# KiCad board central-control-unit.kicad_pcb (continued)
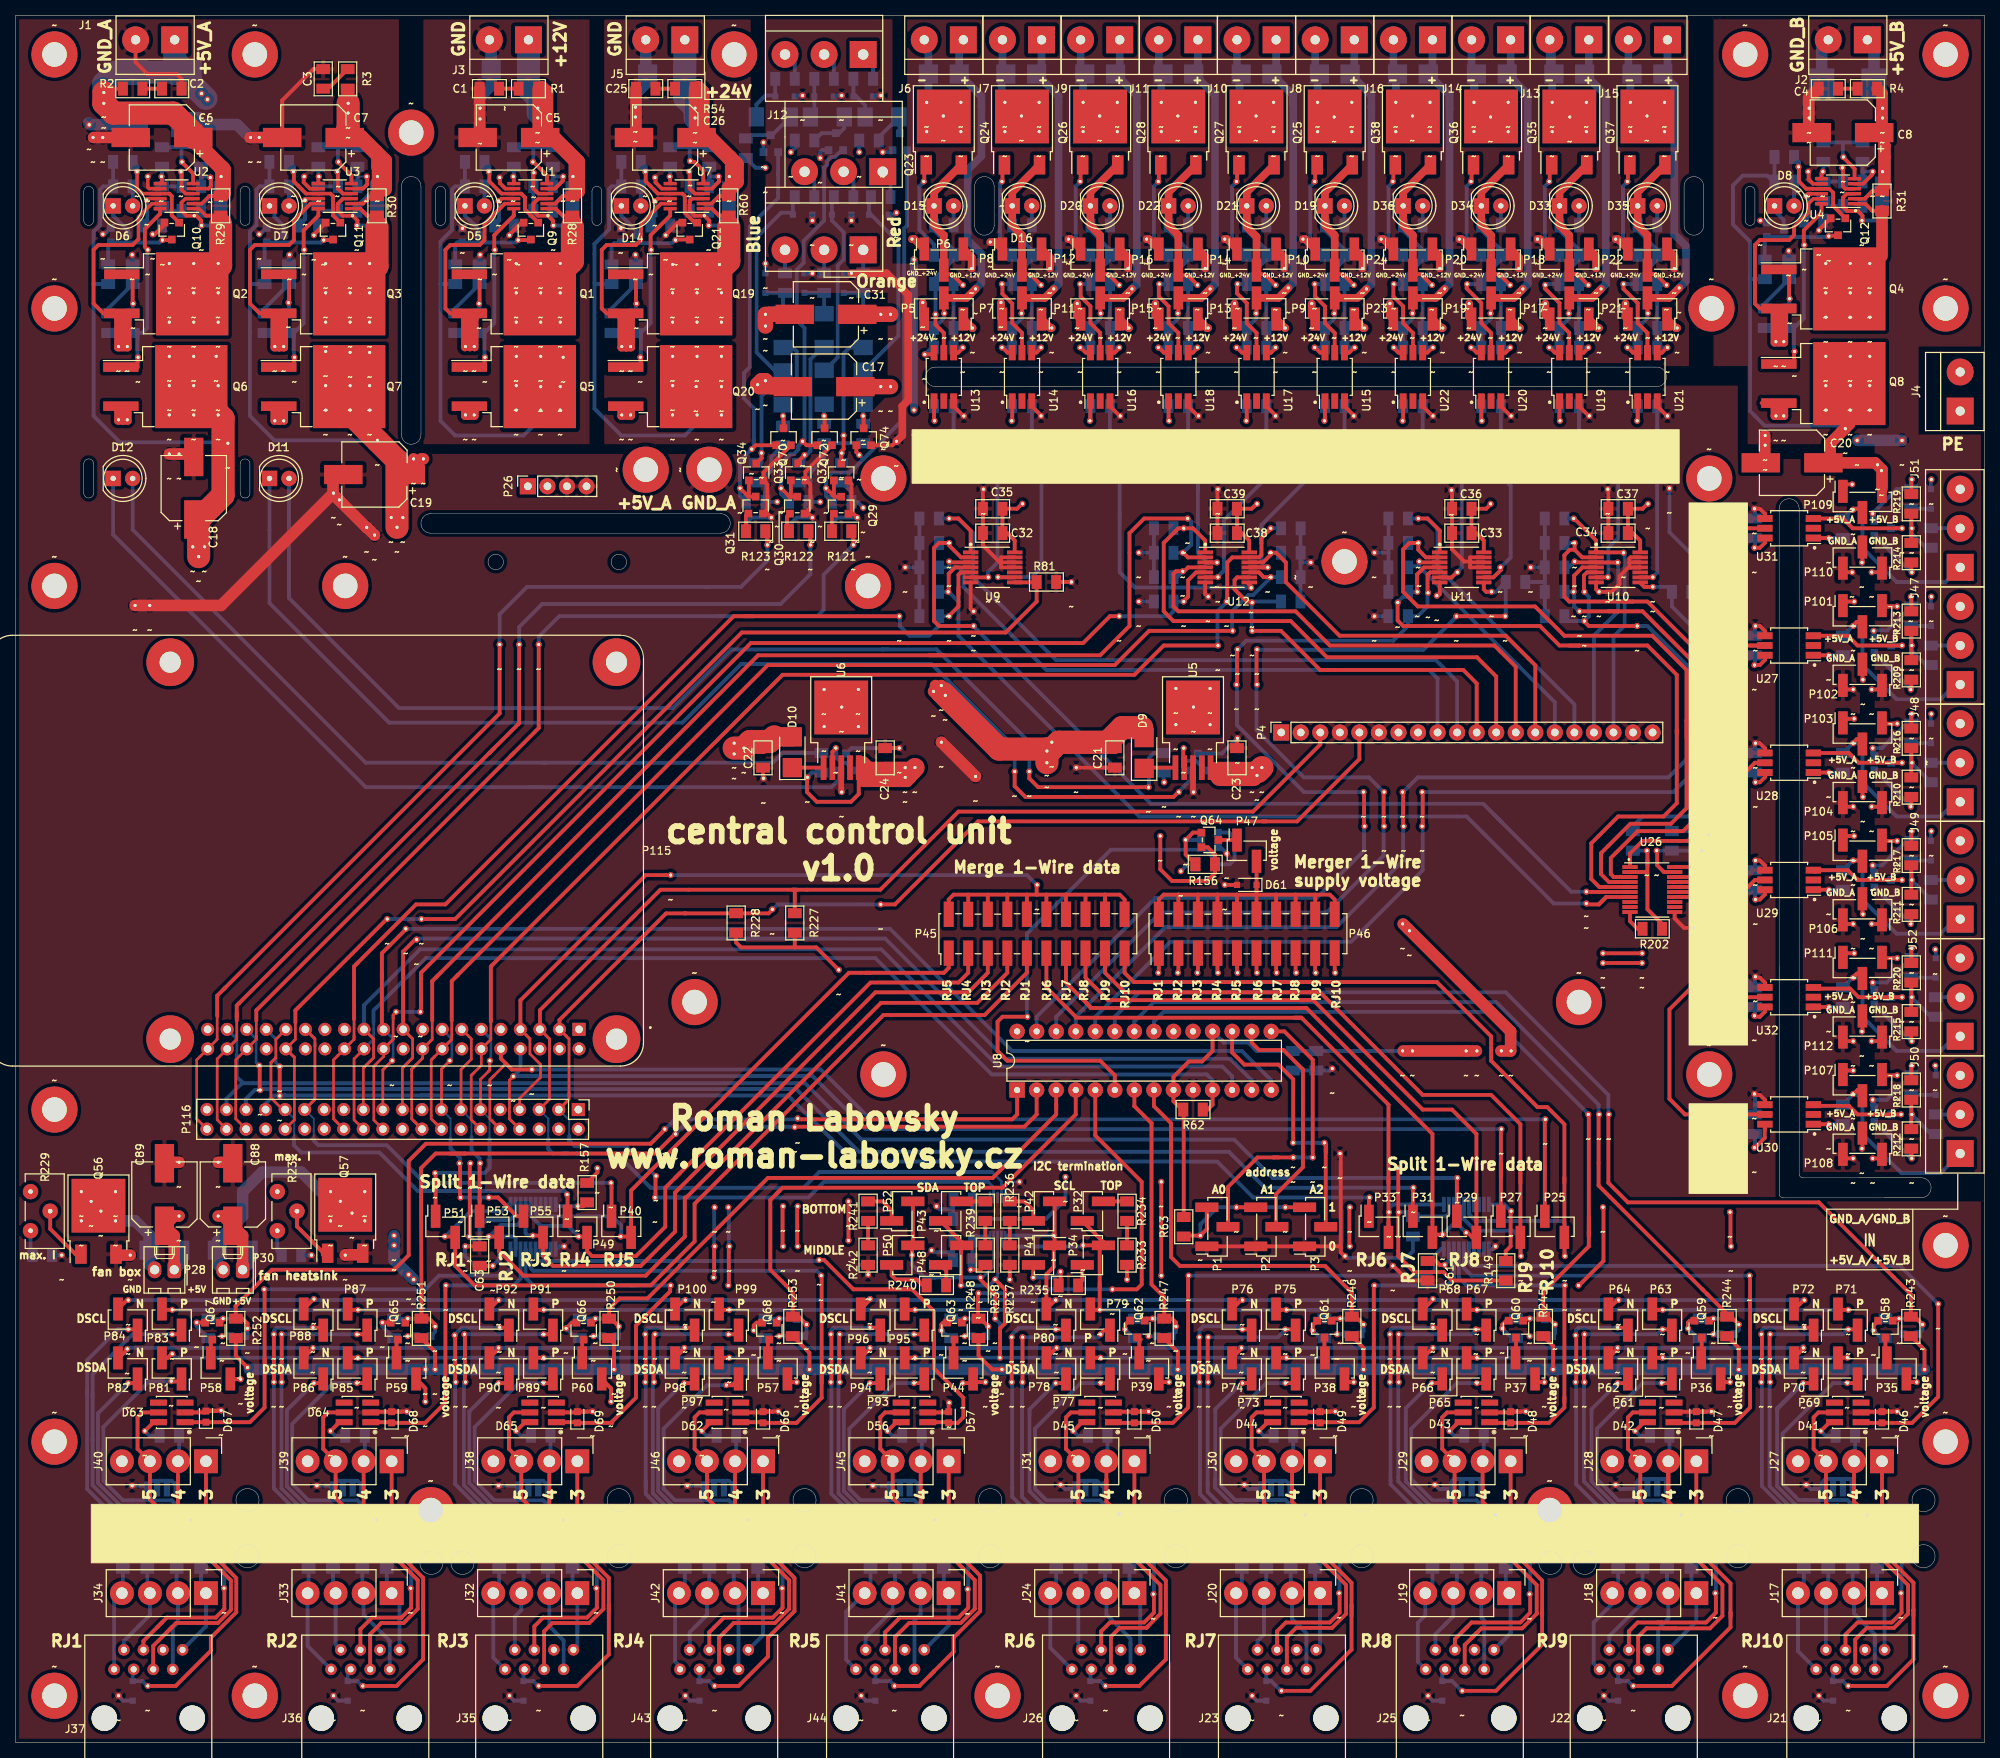
[diagram p0: board, top side]
## Footprints (pads in the part's own frame, mm; a bottom-side part is the same pattern mirrored in y, then rotated) (continued)
AKZ770_3-5.08-V-GREEN
  rect 3.5x3.5 hole 1.35: 1(-5.08,10.16) 4(-7.62,0) 7(-5.08,-15.24)
  round 3.5 hole 1.35: 2(0,10.16) 3(5.08,10.16) 5(-2.54,0) 6(2.54,0) 8(0,-15.24) 9(5.08,-15.24)
c_1206
  trapezoid 1.3x1.8 smd: 1(-1.27,0) 2(1.27,0)
EBBA-02-C-SS-BU
  rect 3.5x3.5 hole 1.2: 1(-2.54,0)
  round 3.5 hole 1.2: 2(2.54,0)
EBBA-03-C-SS-BU
  rect 3.5x3.5 hole 1.2: 1(-5.08,0)
  round 3.5 hole 1.2: 2(0,0) 3(5.08,0)
elec_c_8x10.5
  rect 5x2.5 smd: 1(-4.064,0) 2(4.064,0)
led_d5mm_2.54mm
  rect 2x2 hole 0.7: 1(-1.27,0)
  round 2 hole 0.7: 2(1.27,0)
module_raspberry_pi_4b
  rect 1.7x1.7 hole 1: 1(-34.13,23.23)
  round 1.7 hole 1: 2(-34.13,25.77) 3(-31.59,23.23) 4(-31.59,25.77) 5(-29.05,23.23) 6(-29.05,25.77) 7(-26.51,23.23) 8(-26.51,25.77) 9(-23.97,23.23) 10(-23.97,25.77) 11(-21.43,23.23) 12(-21.43,25.77) 13(-18.89,23.23) 14(-18.89,25.77) 15(-16.35,23.23) 16(-16.35,25.77) 17(-13.81,23.23) 18(-13.81,25.77) 19(-11.27,23.23) 20(-11.27,25.77) 21(-8.73,23.23) 22(-8.73,25.77) 23(-6.19,23.23) 24(-6.19,25.77) 25(-3.65,23.23) 26(-3.65,25.77) 27(-1.11,23.23) 28(-1.11,25.77) 29(1.43,23.23) 30(1.43,25.77) 31(3.97,23.23) 32(3.97,25.77) 33(6.51,23.23) 34(6.51,25.77) 35(9.05,23.23) 36(9.05,25.77) 37(11.59,23.23) 38(11.59,25.77) 39(14.13,23.23) 40(14.13,25.77)
  round 6.2 hole 2.75: S1(-39,24.5) S2(19,24.5) S3(19,-24.5) S4(-39,-24.5)
molex_kk_254_1x02_2.54mm_22112022_vertical
  rrect 1.74x2.19 hole 1.19: 1(-1.27,0)
  oval 1.74x2.19 hole 1.19: 2(1.27,0)
mounting_hole_pad_3.2x6mm
  round 6 hole 3.2: (0,0)
mounting_hole_pad_3.2x6mm#2
  round 6 hole 3.2: 1(0,0)
msop_12
  rect 1.7x0.45 smd: 1(-2.15,1.625) 2(-2.15,0.975) 3(-2.15,0.325) 4(-2.15,-0.325) 5(-2.15,-0.975) 6(-2.15,-1.625) 7(2.15,-1.625) 8(2.15,-0.975) 9(2.15,-0.325) 10(2.15,0.325) 11(2.15,0.975) 12(2.15,1.625)
r_1206
  trapezoid 1.3x1.8 smd: 1(-1.27,0) 2(1.27,0)
rj45_54601-908WPLF
  round 3.3 hole 3.3 unplated: (-5.716,0) (5.716,0)
  round 1.5 hole 0.8: 1(-4.444,6.35) 2(-3.174,8.89) 3(-1.904,6.35) 4(-0.634,8.89) 5(0.636,6.35) 6(1.906,8.89) 7(3.176,6.35) 8(4.446,8.89)
sma
  rect 2.5x2.5 smd: 1(-2,0) 2(2,0)
smb
  rect 2.5x2.5 smd: 1(-2.3,0) 2(2.3,0)
smc
  rect 3.3x4 smd: 1(-3.4,0) 2(3.4,0)
so_6
  rect 2x0.9 smd: 1(-3.15,1.27) 2(-3.15,0) 3(-3.15,-1.27) 4(3.15,-1.27) 5(3.15,0) 6(3.15,1.27)
sod_128
  rect 2x2.5 smd: 1(-2.2,0) 2(2.2,0)
sod_323
  rect 0.8x0.8 smd: 1(-1.27,0) 2(1.27,0)
sod_523
  rect 0.9x0.9 smd: 1(-0.725,0) 2(0.725,0)
soic_8_3.9mmx4.9mm
  rect 2x0.8 smd: 1(-2.76,1.905) 2(-2.76,0.635) 3(-2.76,-0.635) 4(-2.76,-1.905) 5(2.76,-1.905) 6(2.76,-0.635) 7(2.76,0.635) 8(2.76,1.905)
sot_23
  rect 1x1 smd: 1(-1,0.95) 2(-1,-0.95) 3(1.2,0)
spdip_28
  rect 2x2 hole 0.8: 1(-3.81,16.51)
  oval 2x2 hole 0.8: 2(-3.81,13.97) 3(-3.81,11.43) 4(-3.81,8.89) 5(-3.81,6.35) 6(-3.81,3.81) 7(-3.81,1.27) 8(-3.81,-1.27) 9(-3.81,-3.81) 10(-3.81,-6.35) 11(-3.81,-8.89) 12(-3.81,-11.43) 13(-3.81,-13.97) 14(-3.81,-16.51) 15(3.81,-16.51) 16(3.81,-13.97) 17(3.81,-11.43) 18(3.81,-8.89) 19(3.81,-6.35) 20(3.81,-3.81) 21(3.81,-1.27) 22(3.81,1.27) 23(3.81,3.81) 24(3.81,6.35) 25(3.81,8.89) 26(3.81,11.43) 27(3.81,13.97) 28(3.81,16.51)
to_252_2
  rect 3.05x2.75 smd: (0.425,1.525) (0.425,-1.525) (3.775,1.525) (3.775,-1.525)
  rect 2.5x1.5 smd: 1(-4.2,2.28) 2(-4.2,-2.28)
  rect 7x7 smd: 3(2.1,0)
to_252_5
  rect 3.05x2.75 smd: (0.425,1.525) (0.425,-1.525) (3.775,1.525) (3.775,-1.525)
  rect 3.2x0.75 smd: 1(-5.715,2.286) 2(-5.715,1.14) 3(-5.715,-0.003) 4(-5.715,-1.146) 5(-5.715,-2.28)
  rect 7x7 smd: 6(2.1,0)
to_263_2
  rect 4.55x5.25 smd: (0.95,2.775) (0.95,-2.775) (5.8,2.775) (5.8,-2.775)
  rect 4.6x1.25 smd: 1(-5.775,2.54) 2(-5.775,-2.54)
  rect 9.4x10.8 smd: 3(3.375,0)
trimmer_t910y
  round 2 hole 0.6: 1(2.54,-1.841) 2(0,0.711) 3(-2.54,-1.841)
tsoc_6
  rect 2.2x0.8 smd: 1(-1.727,1.27) 2(-1.727,0) 3(-1.727,-1.27) 4(1.727,-1.27) 5(1.727,0) 6(1.727,1.27)
tssop_10
  rect 1.5x0.35 smd: 1(-2.54,1) 2(-2.54,0.5) 3(-2.54,0) 4(-2.54,-0.5) 5(-2.54,-1) 6(2.54,-1) 7(2.54,-0.5) 8(2.54,0) 9(2.54,0.5) 10(2.54,1)
tssop_14
  rect 2x0.5 smd: 1(-2.862,1.95) 2(-2.862,1.3) 3(-2.862,0.65) 4(-2.862,0) 5(-2.862,-0.65) 6(-2.862,-1.3) 8(2.862,-1.95) 9(2.862,-1.3) 10(2.862,-0.65) 11(2.862,0) 12(2.862,0.65) 13(2.862,1.3) 14(2.862,1.95)
  trapezoid 2x0.5 smd: 7(-2.862,-1.95)
tssop_20
  rect 2x0.5 smd: 1(-2.902,4.225) 2(-2.902,3.575) 3(-2.902,2.925) 4(-2.902,2.275) 5(-2.902,1.625) 6(-2.902,0.975) 7(-2.902,0.325) 8(-2.902,-0.325) 9(-2.902,-0.975) 10(-2.902,-1.625) 11(2.902,-1.625) 12(2.902,-0.975) 13(2.902,-0.325) 14(2.902,0.325) 15(2.902,0.975) 16(2.902,1.625) 17(2.902,2.275) 18(2.902,2.925) 19(2.902,3.575) 20(2.902,4.225)
via_pad_0.4x0.8mm
  round 0.8 hole 0.4: ~(0,0)

## Nets
+5V_A: C6.1 C7.1 D2.1 D3.1 J1.1 R2.1 R3.1 R9.1 R14.1 R25.1 R26.1 R29.2 R30.2 U2.2 U3.2 ~#413.~ ~#428.~ ~#784.~ ~#785.~ ~#786.~ ~#787.~ ~#799.~ ~#800.~
+12V: C17.1 P5.1 P7.1 P9.1 P11.1 P13.1 P15.1 P17.1 P19.1 P21.1 P23.1 Q5.3 R40.1 R44.1 R48.1 ~#511.~ ~#512.~ ~#513.~ ~#514.~ ~#515.~ ~#516.~ ~#517.~ ~#518.~ ~#519.~ ~#726.~ ~#849.~ ~#852.~ ~#854.~ ~#900.~ ~#901.~ ~#902.~ ~#903.~ ~#904.~ ~#905.~ ~#1069.~ ~#1081.~
+24V: C31.1 P5.3 P7.3 P9.3 P11.3 P13.3 P15.3 P17.3 P19.3 P21.3 P23.3 Q20.3 R65.1 R66.1 R67.1 ~#502.~ ~#503.~ ~#504.~ ~#505.~ ~#506.~ ~#507.~ ~#508.~ ~#509.~ ~#510.~ ~#727.~ ~#850.~ ~#851.~ ~#914.~ ~#915.~ ~#916.~ ~#917.~ ~#918.~ ~#919.~ ~#920.~ ~#1072.~ ~#1073.~
GND_+12V: C1.2 C5.2 C9.2 C13.2 C17.2 D1.2 J3.2 P6.3 P8.3 P10.3 P12.3 P14.3 P16.3 P18.3 P20.3 P22.3 P24.3 Q9.2 Q13.2 U1.8 ~#501.~ ~#728.~ ~#729.~ ~#730.~ ~#731.~ ~#732.~ ~#733.~ ~#734.~ ~#735.~ ~#736.~ ~#809.~ ~#810.~ ~#811.~ ~#815.~ ~#816.~ ~#823.~ ~#1070.~ ~#1071.~
GND_+24V: C25.2 C26.2 C27.2 C28.2 C31.2 D13.2 J5.2 P6.1 P8.1 P10.1 P12.1 P14.1 P16.1 P18.1 P20.1 P22.1 P24.1 Q21.2 Q22.2 U7.8 ~#500.~ ~#737.~ ~#738.~ ~#739.~ ~#740.~ ~#741.~ ~#742.~ ~#743.~ ~#744.~ ~#834.~ ~#836.~ ~#837.~ ~#840.~ ~#841.~ ~#843.~ ~#961.~ ~#1074.~ ~#1075.~
GND_A: C2.2 C3.2 C6.2 C7.2 C10.2 C11.2 C14.2 C15.2 C18.2 C19.2 C21.2 C22.2 C23.2 C24.2 C29.2 C30.2 C32.1 C33.1 C34.1 C35.2 C36.2 C37.2 C38.1 C39.2 C60.1 C61.2 C62.1 C63.2 C64.2 C65.2 C66.2 C67.2 C68.1 C69.2 C70.2 C71.2 C72.2 C73.2 C74.2 C75.2 C76.2 C77.2 C78.2 C79.2 C80.2 C81.2 C88.2 C89.2 D2.2 D3.2 D30.2 D31.2 D32.2 D41.2 D42.2 D43.2 D44.2 D45.2 D46.2 D47.2 D48.2 D49.2 D50.2 D51.2 D52.2 D53.2 D54.2 D55.2 D56.2 D57.2 D60.2 D61.2 D62.2 D63.2 D64.2 D65.2 D66.2 D67.2 D68.2 D69.2 D70.2 D71.2 D72.2 D73.2 D74.5 D74.6 D74.7 D74.8 D75.5 D75.6 D75.7 D75.8 D76.5 D76.6 D76.7 D76.8 D77.5 D77.6 D77.7 D77.8 D78.5 D78.6 D78.7 D78.8 D79.5 D79.6 D79.7 D79.8 D80.5 D80.6 D80.7 D80.8 D81.5 D81.6 D81.7 D81.8 D82.5 D82.6 D82.7 D82.8 D83.5 D83.6 D83.7 D83.8 D96.2 D97.2 D98.2 D99.2 D100.2 D101.2 J1.2 P1.1 P2.1 P3.1 P4.4 P4.6 P4.19 P26.3 P26.4 P102.3 P104.3 P106.3 P108.3 P110.3 P112.3 Q10.2 Q11.2 Q14.2 Q15.2 Q17.3 Q18.3 Q29.2 Q30.2 Q31.2 Q32.2 Q33.2 Q34.2 Q39.2 Q40.2 Q41.2 Q42.2 Q43.2 Q44.2 Q45.2 Q46.2 Q47.2 Q48.2 Q49.2 Q56.2 Q57.2 Q69.2 Q70.2 Q71.2 Q72.2 Q73.2 Q74.2 R68.2 R69.2 R70.2 R71.2 R72.2 R73.2 R74.2 R75.2 R76.2 R77.2 R78.2 R79.2 R80.2 R81.2 R82.2 R83.2 R84.2 R85.2 R86.2 R87.2 R88.2 R89.2 R90.2 R91.2 R92.2 R93.2 R118.2 R119.2 R120.2 R230.1 R232.1 R237.2 R242.2 U2.8 U3.8 U5.3 U6.3 U8.10 U9.7 U9.11 U9.12 U9.13 U10.7 U10.11 U10.12 U10.13 U11.7 U11.11 U11.12 U11.13 U12.7 U13.3 U14.3 U15.3 U16.3 U17.3 U18.3 U19.3 U20.3 U21.3 U22.3 U23.11 U24.11 U25.5 U26.11 U27.4 U28.4 U29.4 U30.4 U31.4 U32.4 ~#12.1 ~#30.~ ~#31.~ ~#32.~ ~#33.~ ~#34.~ ~#35.~ ~#36.~ ~#37.~ ~#38.~ ~#39.~ ~#51.~ ~#53.~ ~#57.~ ~#60.~ ~#63.~ ~#66.~ ~#70.~ ~#72.~ ~#75.~ ~#76.~ ~#79.~ ~#80.~ ~#112.~ ~#141.~ ~#183.~ ~#194.~ ~#204.~ ~#214.~ ~#227.~ ~#233.~ ~#234.~ ~#244.~ ~#245.~ ~#258.~ ~#259.~ ~#269.~ ~#270.~ ~#286.~ ~#287.~ ~#288.~ ~#289.~ ~#290.~ ~#294.~ ~#295.~ ~#312.~ ~#315.~ ~#317.~ ~#318.~ ~#357.~ ~#378.~ ~#388.~ ~#391.~ ~#394.~ ~#395.~ ~#397.~ ~#403.~ ~#404.~ ~#408.~ ~#409.~ ~#410.~ ~#411.~ ~#426.~ ~#438.~ ~#631.~ ~#632.~ ~#633.~ ~#634.~ ~#635.~ ~#641.~ ~#642.~ ~#643.~ ~#644.~ ~#649.~ ~#650.~ ~#651.~ ~#656.~ ~#657.~ ~#658.~ ~#659.~ ~#660.~ ~#661.~ ~#662.~ ~#663.~ ~#664.~ ~#665.~ ~#666.~ ~#669.~ ~#671.~ ~#673.~ ~#674.~ ~#677.~ ~#678.~ ~#681.~ ~#682.~ ~#684.~ ~#701.~ ~#702.~ ~#703.~ ~#704.~ ~#705.~ ~#770.~ ~#771.~ ~#779.~ ~#780.~ ~#781.~ ~#782.~ ~#783.~ ~#788.~ ~#792.~ ~#793.~ ~#794.~ ~#795.~ ~#796.~ ~#797.~ ~#798.~ ~#986.~ ~#987.~ ~#988.~ ~#989.~ ~#990.~ ~#1002.~ ~#1003.~ ~#1010.~ ~#1011.~ ~#1020.~ ~#1038.~ ~#1039.~ ~#1043.~ ~#1064.~ ~#1088.~ ~#1089.~ ~#1090.~ ~#1091.~ ~#1092.~ ~#1093.~ ~#1094.~ ~#1095.~ ~#1096.~ ~#1097.~ ~#1098.~ ~#1099.~ ~#1100.~ ~#1101.~ ~#1102.~ ~#1103.~
GND_B: C4.2 C8.2 C12.2 C16.2 C20.2 D4.2 J2.2 P102.1 P104.1 P106.1 P108.1 P110.1 P112.1 Q12.2 Q16.2 U4.8 ~#520.~ ~#531.~ ~#585.~ ~#691.~ ~#692.~ ~#693.~ ~#694.~ ~#695.~ ~#713.~ ~#714.~ ~#715.~ ~#716.~ ~#721.~ ~#722.~ ~#723.~ ~#725.~
1WIRE_CELLAR_FIREPLACE_DATA_3V3: P51.1 P115.11 P116.11 ~#125.~ ~#371.~
1WIRE_CELLAR_FIREPLACE_DATA_5V_CON: J37.4 J40.2 R274.2 ~#49.~ ~#50.~
1WIRE_CELLAR_FIREPLACE_GND_CON: D63.5 J37.5 J40.3
1WIRE_CELLAR_FIREPLACE_SUPPLY_5V_CON: D71.1 J37.3 J40.1 P46.1 P58.2 ~#29.~ ~#81.~ ~#94.~ ~#300.~ ~#301.~ ~#303.~
1WIRE_FIRST_FLOOR_FIREPLACE_DATA_3V3: P53.1 P115.13 P116.13 ~#124.~
1WIRE_FIRST_FLOOR_FIREPLACE_DATA_5V_CON: J36.4 J39.2 R272.2 ~#52.~ ~#54.~
1WIRE_FIRST_FLOOR_FIREPLACE_GND_CON: D64.5 J36.5 J39.3
1WIRE_FIRST_FLOOR_FIREPLACE_SUPPLY_5V_CON: D72.1 J36.3 J39.1 P46.3 P59.2 ~#40.~ ~#119.~ ~#175.~ ~#302.~ ~#304.~ ~#334.~
1WIRE_FREE1_DATA_3V3: P33.1 P115.33 P116.33 ~#110.~ ~#368.~ ~#373.~
1WIRE_FREE1_DATA_5V_CON: J26.4 J31.2 R269.2 ~#64.~ ~#65.~
1WIRE_FREE1_GND_CON: D45.5 J26.5 J31.3
1WIRE_FREE1_SUPPLY_5V_CON: D55.1 J26.3 J31.1 P39.2 P46.11 ~#44.~ ~#91.~ ~#153.~ ~#239.~ ~#309.~
1WIRE_FREE2_DATA_3V3: P31.1 P115.35 P116.35 ~#107.~ ~#367.~ ~#374.~
1WIRE_FREE2_DATA_5V_CON: J23.4 J30.2 R271.2 ~#68.~ ~#69.~
1WIRE_FREE2_GND_CON: D44.5 J23.5 J30.3
1WIRE_FREE2_SUPPLY_5V_CON: D54.1 J23.3 J30.1 P38.2 P46.13 ~#45.~ ~#111.~ ~#252.~ ~#311.~ ~#336.~
1WIRE_FREE3_DATA_3V3: P29.1 P115.37 P116.37 ~#104.~
1WIRE_FREE3_DATA_5V_CON: J25.4 J29.2 R268.2 ~#67.~ ~#71.~
1WIRE_FREE3_GND_CON: D43.5 J25.5 J29.3
1WIRE_FREE3_SUPPLY_5V_CON: D53.1 J25.3 J29.1 P37.2 P46.15 ~#46.~ ~#84.~ ~#86.~ ~#316.~ ~#337.~
1WIRE_FREE4_DATA_3V3: P27.1 P115.8 P116.8 ~#100.~ ~#372.~
1WIRE_FREE4_DATA_5V_CON: J22.4 J28.2 R266.2 ~#73.~ ~#74.~
1WIRE_FREE4_GND_CON: D42.5 J22.5 J28.3
1WIRE_FREE4_SUPPLY_5V_CON: D52.1 J22.3 J28.1 P36.2 P46.17 ~#47.~ ~#143.~ ~#276.~ ~#319.~ ~#320.~ ~#321.~ ~#338.~
1WIRE_FREE5_DATA_3V3: P25.1 P115.10 P116.10 ~#90.~ ~#99.~
1WIRE_FREE5_DATA_5V_CON: J21.4 J27.2 R270.2 ~#77.~ ~#78.~
1WIRE_FREE5_GND_CON: D41.5 J21.5 J27.3
1WIRE_FREE5_SUPPLY_5V_CON: D51.1 J21.3 J27.1 P35.2 P46.19 ~#48.~ ~#136.~ ~#322.~ ~#323.~ ~#339.~
1WIRE_HOT_WATER_TANK_DATA_3V3: P49.1 P115.31 P116.31 ~#127.~
1WIRE_HOT_WATER_TANK_DATA_5V_CON: J43.4 J46.2 R275.2 ~#58.~ ~#59.~
1WIRE_HOT_WATER_TANK_GND_CON: D62.5 J43.5 J46.3
1WIRE_HOT_WATER_TANK_SUPPLY_5V_CON: D70.1 J43.3 J46.1 P46.7 P57.2 ~#42.~ ~#117.~ ~#215.~ ~#306.~ ~#335.~
1WIRE_MERGE_CONNECTION_DATA_3V3: P45.2 P45.4 P45.6 P45.8 P45.10 P45.12 P45.14 P45.16 P45.18 P45.20 P115.7 P116.7 ~#360.~ ~#362.~
1WIRE_OUTDOOR_SENSOR_DATA_3V3: P40.1 P115.29 P116.29 ~#122.~
1WIRE_OUTDOOR_SENSOR_DATA_5V_CON: J44.4 J45.2 R267.2 ~#61.~ ~#62.~
1WIRE_OUTDOOR_SENSOR_GND_CON: D56.5 J44.5 J45.3
1WIRE_OUTDOOR_SENSOR_SUPPLY_5V_CON: D60.1 J44.3 J45.1 P44.2 P46.9 ~#43.~ ~#92.~ ~#158.~ ~#228.~ ~#991.~ ~#992.~
1WIRE_SECOND_FLOOR_FIREPLACE_DATA_3V3: P55.1 P115.15 P116.15 ~#126.~ ~#297.~ ~#298.~ ~#370.~
1WIRE_SECOND_FLOOR_FIREPLACE_DATA_5V_CON: J35.4 J38.2 R273.2 ~#55.~ ~#56.~
1WIRE_SECOND_FLOOR_FIREPLACE_GND_CON: D65.5 J35.5 J38.3
1WIRE_SECOND_FLOOR_FIREPLACE_SUPPLY_5V_CON: D73.1 J35.3 J38.1 P46.5 P60.2 ~#41.~ ~#93.~ ~#118.~ ~#166.~ ~#305.~
/1-Wire bus/1WIRE_CELLAR_FIREPLACE_DATA_5V: D63.1 D67.1 U24.20 ~#172.~
/1-Wire bus/1WIRE_CELLAR_FIREPLACE_DATA_OUT_3V3: P45.9 P51.2 U24.1 ~#132.~
/1-Wire bus/1WIRE_FIRST_FLOOR_FIREPLACE_DATA_5V: D64.1 D68.1 U24.18 ~#167.~
/1-Wire bus/1WIRE_FIRST_FLOOR_FIREPLACE_DATA_OUT_3V3: P45.7 P53.2 U24.3 ~#131.~
/1-Wire bus/1WIRE_FREE1_DATA_5V: D45.1 D50.1 U23.20 ~#149.~
/1-Wire bus/1WIRE_FREE1_DATA_OUT_3V3: P33.2 P45.11 U23.1 ~#108.~
/1-Wire bus/1WIRE_FREE2_DATA_5V: D44.1 D49.1 U23.18 ~#148.~
/1-Wire bus/1WIRE_FREE2_DATA_OUT_3V3: P31.2 P45.13 U23.3 ~#106.~
/1-Wire bus/1WIRE_FREE3_DATA_5V: D43.1 D48.1 U23.17 ~#85.~
/1-Wire bus/1WIRE_FREE3_DATA_OUT_3V3: P29.2 P45.15 U23.4 ~#105.~
/1-Wire bus/1WIRE_FREE4_DATA_5V: D42.1 D47.1 U23.16 ~#142.~
/1-Wire bus/1WIRE_FREE4_DATA_OUT_3V3: P27.2 P45.17 U23.5 ~#102.~
/1-Wire bus/1WIRE_FREE5_DATA_5V: D41.1 D46.1 U23.15 ~#135.~
/1-Wire bus/1WIRE_FREE5_DATA_OUT_3V3: P25.2 P45.19 U23.6 ~#101.~
/1-Wire bus/1WIRE_HOT_WATER_TANK_DATA_5V: D62.1 D66.1 U24.16 ~#116.~
/1-Wire bus/1WIRE_HOT_WATER_TANK_DATA_OUT_3V3: P45.3 P49.2 U24.5 ~#129.~
/1-Wire bus/1WIRE_MERGE_CONNECTION_SUPPLY_5V_CON: D61.1 P46.2 P46.4 P46.6 P46.8 P46.10 P46.12 P46.14 P46.16 P46.18 P46.20 P47.2
/1-Wire bus/1WIRE_OUTDOOR_SENSOR_DATA_5V: D56.1 D57.1 U24.15 ~#995.~
/1-Wire bus/1WIRE_OUTDOOR_SENSOR_DATA_OUT_3V3: P40.2 P45.1 U24.6 ~#121.~
/1-Wire bus/1WIRE_SECOND_FLOOR_FIREPLACE_DATA_5V: D65.1 D69.1 U24.17 ~#120.~
/1-Wire bus/1WIRE_SECOND_FLOOR_FIREPLACE_DATA_OUT_3V3: P45.5 P55.2 U24.4 ~#296.~
/ Relays Outputs/BLUE_LED_CON_1: J12.3 R132.2
/ Relays Outputs/BLUE_LED_CON_2: J12.6 R261.2
/ Relays Outputs/BLUE_LED_CON_3: J12.9 R260.2
/ Relays Outputs/ORANGE_LED_CON_1: J12.2 R131.2
/ Relays Outputs/ORANGE_LED_CON_2: J12.5 R263.2
/ Relays Outputs/ORANGE_LED_CON_3: J12.8 R264.2
/ Relays Outputs/RED_LED_CON_1: J12.1 R130.2
/ Relays Outputs/RED_LED_CON_2: J12.4 R265.2
/ Relays Outputs/RED_LED_CON_3: J12.7 R262.2
/ Relays Outputs/TRAN_BLUE_LED: Q31.3 Q34.1 Q69.1 Q70.1 R126.2 ~#1106.~ ~#1109.~
/ Relays Outputs/TRAN_ORANGE_LED: Q30.3 Q33.1 Q72.1 Q73.1 R125.2 ~#1105.~ ~#1108.~
/ Relays Outputs/TRAN_RED_LED: Q29.3 Q32.1 Q71.1 Q74.1 R124.2 ~#1104.~ ~#1107.~
/Connectors/PCB_FREE1_5V: U26.16 U29.5
/Connectors/PCB_FREE2_5V: U26.17 U28.5
/Connectors/PCB_FREE3_5V: U26.18 U27.5
/Connectors/PCB_FREE4_5V: U26.20 U31.5
/Connectors/PCB_PUMP_UNDERFLOOR_HEATING_FIRST_FOOR_5V: U26.14 U30.5
/Connectors/PCB_PUMP_UNDERFLOOR_HEATING_SECOND_FOOR_5V: U26.15 U32.5
/I2C bus/DSCL_N: P41.1 P42.2 P64.2 P68.2 P72.2 P76.2 P80.2 P84.2 P88.2 P92.2 P96.2 P100.2 U25.6 ~#177.~ ~#186.~ ~#197.~ ~#205.~ ~#218.~ ~#229.~ ~#240.~ ~#253.~ ~#265.~ ~#277.~ ~#983.~
/I2C bus/DSCL_P: P32.1 P34.2 P63.2 P67.2 P71.2 P75.2 P79.2 P83.2 P87.2 P91.2 P95.2 P99.2 U25.7 ~#176.~ ~#187.~ ~#198.~ ~#206.~ ~#219.~ ~#230.~ ~#241.~ ~#254.~ ~#266.~ ~#278.~ ~#982.~
/I2C bus/DSDA_N: P50.1 P52.2 P62.2 P66.2 P70.2 P74.2 P78.2 P82.2 P86.2 P90.2 P94.2 P98.2 U25.9 ~#181.~ ~#185.~ ~#196.~ ~#207.~ ~#220.~ ~#231.~ ~#242.~ ~#255.~ ~#267.~ ~#279.~ ~#981.~ ~#996.~ ~#997.~
/I2C bus/DSDA_P: P43.1 P48.2 P61.2 P65.2 P69.2 P73.2 P77.2 P81.2 P85.2 P89.2 P93.2 P97.2 U25.8 ~#182.~ ~#184.~ ~#195.~ ~#208.~ ~#221.~ ~#232.~ ~#243.~ ~#256.~ ~#268.~ ~#280.~ ~#980.~ ~#998.~ ~#999.~
/MCP23S17_A0: P1.2 U8.15 ~#1023.~ ~#1024.~
/MCP23S17_A1: P2.2 U8.16
/MCP23S17_A2: P3.2 U8.17 ~#1025.~ ~#1026.~
CELLAR_FIREPLACE_DSCL_N_CON: J34.4 J37.1 R185.1
CELLAR_FIREPLACE_DSCL_P_CON: J34.3 J37.2 R184.1
CELLAR_FIREPLACE_DSDA_N_CON: J34.2 J37.7 R183.1
CELLAR_FIREPLACE_DSDA_P_CON: J34.1 J37.8 R182.1
Earth_Protective: J4.1 J4.2 P4.20
FIRST_FLOOR_FIREPLACE_DSCL_N_CON: J33.4 J36.1 R189.1
FIRST_FLOOR_FIREPLACE_DSCL_P_CON: J33.3 J36.2 R188.1
FIRST_FLOOR_FIREPLACE_DSDA_N_CON: J33.2 J36.7 R187.1
FIRST_FLOOR_FIREPLACE_DSDA_P_CON: J33.1 J36.8 R186.1
FREE1_DSCL_N_CON: J24.4 J26.1 R181.1
FREE1_DSCL_P_CON: J24.3 J26.2 R180.1
FREE1_DSDA_N_CON: J24.2 J26.7 R179.1
FREE1_DSDA_P_CON: J24.1 J26.8 R178.1
FREE2_DSCL_N_CON: J20.4 J23.1 R177.1
FREE2_DSCL_P_CON: J20.3 J23.2 R176.1
FREE2_DSDA_N_CON: J20.2 J23.7 R175.1
FREE2_DSDA_P_CON: J20.1 J23.8 R174.1
FREE3_DSCL_N_CON: J19.4 J25.1 R169.1
FREE3_DSCL_P_CON: J19.3 J25.2 R168.1
FREE3_DSDA_N_CON: J19.2 J25.7 R167.1
FREE3_DSDA_P_CON: J19.1 J25.8 R166.1
FREE4_DSCL_N_CON: J18.4 J22.1 R165.1
FREE4_DSCL_P_CON: J18.3 J22.2 R164.1
FREE4_DSDA_N_CON: J18.2 J22.7 R163.1
FREE4_DSDA_P_CON: J18.1 J22.8 R162.1
FREE5_DSCL_N_CON: J17.4 J21.1 R173.1
FREE5_DSCL_P_CON: J17.3 J21.2 R172.1
FREE5_DSDA_N_CON: J17.2 J21.7 R171.1
FREE5_DSDA_P_CON: J17.1 J21.8 R170.1
HOT_WATER_TANK_DSCL_N_CON: J42.4 J43.1 R201.1
HOT_WATER_TANK_DSCL_P_CON: J42.3 J43.2 R200.1
HOT_WATER_TANK_DSDA_N_CON: J42.2 J43.7 R199.1
HOT_WATER_TANK_DSDA_P_CON: J42.1 J43.8 R198.1
I2C_SCL: P4.3 P115.5 P116.5 R227.2 U25.4
I2C_SDA: P4.5 P115.3 P116.3 R228.2 U25.2 ~#115.~ ~#307.~ ~#361.~ ~#377.~
OTHER_+3V3: C23.1 P4.2 P4.8 R52.1 U5.5 ~#358.~ ~#386.~ ~#387.~ ~#1145.~
OTHER_+5V_A: C19.1 C21.1 C61.1 C63.1 C66.1 C67.1 C69.1 C70.1 C71.1 C72.1 C73.1 C74.1 C75.1 C76.1 C77.1 C78.1 C79.1 C80.1 C81.1 C88.1 C89.1 D9.2 D58.1 D59.1 P4.1 P28.1 P30.1 P101.1 P103.1 P105.1 P107.1 P109.1 P111.1 Q7.3 Q58.2 Q59.2 Q60.2 Q61.2 Q62.2 Q63.2 Q64.2 Q65.2 Q66.2 Q67.2 Q68.2 R42.1 R46.1 R50.1 R124.1 R125.1 R126.1 R127.1 R128.1 R129.1 R150.1 R151.1 R152.1 R153.1 R154.1 R155.1 R156.1 R158.1 R159.1 R160.1 R161.1 R229.3 R231.3 R233.1 R238.1 R254.1 R255.1 R256.1 R257.1 R258.1 R259.1 U23.19 U24.19 U25.10 U26.19 U27.6 U28.6 U29.6 U30.6 U31.6 U32.6 ~#180.~ ~#193.~ ~#203.~ ~#217.~ ~#222.~ ~#235.~ ~#246.~ ~#257.~ ~#271.~ ~#281.~ ~#293.~ ~#313.~ ~#353.~ ~#392.~ ~#405.~ ~#406.~ ~#577.~ ~#586.~ ~#670.~ ~#672.~ ~#675.~ ~#676.~ ~#679.~ ~#680.~ ~#683.~ ~#696.~ ~#697.~ ~#698.~ ~#699.~ ~#700.~ ~#767.~ ~#768.~ ~#769.~ ~#858.~ ~#868.~ ~#869.~ ~#870.~ ~#871.~ ~#872.~ ~#873.~ ~#874.~ ~#875.~ ~#984.~ ~#985.~ ~#1008.~ ~#1009.~ ~#1021.~ ~#1022.~ ~#1065.~ ~#1076.~ ~#1077.~ ~#1078.~ ~#1082.~ ~#1083.~ ~#1084.~ ~#1085.~ ~#1086.~ ~#1140.~ ~#1141.~ ~#1142.~
OTHER_+5V_B: C20.1 P101.3 P103.3 P105.3 P107.3 P109.3 P111.3 Q8.3 R43.1 R47.1 R51.1 ~#532.~ ~#578.~ ~#687.~ ~#688.~ ~#689.~ ~#690.~ ~#711.~ ~#712.~ ~#971.~ ~#972.~ ~#973.~ ~#974.~ ~#975.~ ~#976.~ ~#977.~ ~#978.~ ~#979.~
OUTDOOR_SENSOR_DSCL_N_CON: J41.4 J44.1 R197.1
OUTDOOR_SENSOR_DSCL_P_CON: J41.3 J44.2 R196.1
OUTDOOR_SENSOR_DSDA_N_CON: J41.2 J44.7 R195.1
OUTDOOR_SENSOR_DSDA_P_CON: J41.1 J44.8 R194.1
PCB_FREE1_3V3: R79.1 U11.4 U26.5 ~#612.~ ~#646.~
PCB_FREE2_3V3: R78.1 U11.2 U26.4 ~#614.~
PCB_FREE3_3V3: R76.1 U10.4 U26.3 ~#604.~ ~#652.~
PCB_FREE4_3V3: R77.1 U10.2 U26.1 ~#606.~
PCB_PUMP_UNDERFLOOR_HEATING_FIRST_FOOR_3V3: R74.1 U9.4 U26.7 ~#344.~ ~#587.~
PCB_PUMP_UNDERFLOOR_HEATING_SECOND_FOOR_3V3: R75.1 U9.2 U26.6 ~#346.~ ~#348.~ ~#667.~
RELAY_BOILER_3V3: R102.1 U12.11 ~#617.~
RELAY_FREE1_3V3: R136.1 U11.6 ~#610.~
RELAY_FREE2_3V3: R134.1 U11.9 ~#609.~
RELAY_FREE3_3V3: R133.1 U10.6 ~#600.~
RELAY_FREE4_3V3: R135.1 U10.9 ~#598.~
RELAY_PUMP_FIREPLACE_CELLAR_3V3: R103.1 U12.8 ~#619.~
RELAY_PUMP_FIREPLACE_FIRST_FLOOR_3V3: R105.1 U12.3 ~#624.~
RELAY_PUMP_FIREPLACE_SECOND_FLOOR_3V3: R104.1 U12.6 ~#623.~
RELAY_PUMP_UNDERFLOOR_HEATING_FIRST_FOOR_3V3: R94.1 U9.6 ~#343.~
RELAY_PUMP_UNDERFLOOR_HEATING_SECOND_FOOR_3V3: R95.1 U9.9 ~#630.~
RESET_1WIRE_CELLAR_FIREPLACE_SUPPLY: Q47.1 R252.2 U8.1 ~#97.~ ~#332.~ ~#1027.~
RESET_1WIRE_FIRST_FLOOR_FIREPLACE_SUPPLY: Q48.1 R251.2 U8.2 ~#96.~ ~#333.~ ~#1029.~
RESET_1WIRE_FREE1_SUPPLY: Q43.1 R247.2 U8.7 ~#1047.~
RESET_1WIRE_FREE2_SUPPLY: Q42.1 R246.2 U8.8 ~#1052.~
RESET_1WIRE_FREE3_SUPPLY: Q41.1 R245.2 U8.21 ~#325.~ ~#1055.~
RESET_1WIRE_FREE4_SUPPLY: Q40.1 R244.2 U8.22 ~#324.~ ~#1057.~
RESET_1WIRE_FREE5_SUPPLY: Q39.1 R243.2 U8.23 ~#98.~ ~#1061.~
RESET_1WIRE_HOT_WATER_TANK_SUPPLY: Q46.1 R253.2 U8.4 ~#216.~
RESET_1WIRE_MERGE_CONNECTION_SUPPLY: Q45.1 R249.2 U8.6 ~#95.~
RESET_1WIRE_OUTDOOR_SENSOR_SUPPLY: Q44.1 R248.2 U8.5 ~#994.~ ~#1000.~ ~#1041.~
RESET_1WIRE_SECOND_FLOOR_FIREPLACE_SUPPLY: Q49.1 R250.2 U8.3 ~#1032.~
RPI_BLUE_LED_3V3: P115.40 P116.40 R120.1 R123.2 ~#773.~ ~#1112.~
RPI_BOILER_3V3: P115.12 P116.12 R93.1 U12.13 ~#622.~ ~#637.~ ~#640.~
RPI_FREE1_3V3: R85.1 U8.27 U11.5 ~#359.~ ~#382.~ ~#399.~ ~#402.~ ~#611.~
RPI_FREE2_3V3: R84.1 U8.26 U11.8 ~#379.~ ~#383.~ ~#400.~ ~#401.~ ~#608.~ ~#647.~ ~#648.~
RPI_FREE3_3V3: R82.1 U8.25 U10.5 ~#380.~ ~#384.~ ~#603.~ ~#653.~ ~#654.~
RPI_FREE4_3V3: R83.1 U8.24 U10.8 ~#381.~ ~#385.~ ~#599.~
RPI_ORANGE_LED_3V3: P115.38 P116.38 R119.1 R122.2 ~#772.~ ~#1111.~
RPI_PUMP_FIREPLACE_CELLAR_3V3: P115.16 P116.16 R92.1 U12.10 ~#618.~ ~#621.~
RPI_PUMP_FIREPLACE_FIRST_FLOOR_3V3: P115.18 P116.18 R90.1 U12.2 ~#625.~ ~#627.~
RPI_PUMP_FIREPLACE_SECOND_FLOOR_3V3: P115.22 P116.22 R91.1 U12.5 ~#366.~ ~#375.~ ~#629.~ ~#638.~
RPI_PUMP_UNDERFLOOR_HEATING_FIRST_FOOR_3V3: P115.26 P116.26 R80.1 U9.5 ~#349.~ ~#407.~
RPI_PUMP_UNDERFLOOR_HEATING_SECOND_FOOR_3V3: P115.32 P116.32 R81.1 U9.8 ~#363.~ ~#376.~
RPI_RED_LED_3V3: P115.36 P116.36 R118.1 R121.2 ~#442.~ ~#1110.~
SECOND_FLOOR_FIREPLACE_DSCL_N_CON: J32.4 J35.1 R193.1
SECOND_FLOOR_FIREPLACE_DSCL_P_CON: J32.3 J35.2 R192.1
SECOND_FLOOR_FIREPLACE_DSDA_N_CON: J32.2 J35.7 R191.1
SECOND_FLOOR_FIREPLACE_DSDA_P_CON: J32.1 J35.8 R190.1
SPI_CLK: P115.23 P116.23 U8.12
SPI_CS: P115.24 P116.24 R62.2 U8.11
SPI_MISO: P115.21 P116.21 U8.14 ~#364.~ ~#369.~
SPI_MOSI: P115.19 P116.19 U8.13 ~#365.~
SWITCH_BOILER_3V3: P4.14 R89.1 U12.12 ~#616.~
SWITCH_FREE1_3V3: P4.15 R73.1 U11.3 ~#613.~
SWITCH_FREE2_3V3: P4.16 R72.1 U11.1 ~#615.~
SWITCH_FREE3_3V3: P4.17 R70.1 U10.3 ~#601.~ ~#605.~
SWITCH_FREE4_3V3: P4.18 R71.1 U10.1 ~#602.~ ~#607.~
SWITCH_PUMP_FIREPLACE_CELLAR_3V3: P4.11 R88.1 U12.9 ~#620.~ ~#639.~
SWITCH_PUMP_FIREPLACE_FIRST_FLOOR_3V3: P4.12 R86.1 U12.1 ~#626.~
SWITCH_PUMP_FIREPLACE_SECOND_FLOOR_3V3: P4.13 R87.1 U12.4 ~#628.~
SWITCH_PUMP_UNDERFLOOR_HEATING_FIRST_FOOR_3V3: P4.9 R68.1 U9.3 ~#345.~
SWITCH_PUMP_UNDERFLOOR_HEATING_SECOND_FOOR_3V3: P4.10 R69.1 U9.1 ~#347.~
SYS_+3V3: C24.1 C29.1 C30.1 C32.2 C33.2 C34.2 C35.1 C36.1 C37.1 C38.2 C39.1 C60.2 C62.2 C64.1 C65.1 C68.2 R53.1 R62.1 R63.1 R149.1 R157.1 R202.1 R227.1 R228.1 R243.1 R244.1 R245.1 R246.1 R247.1 R248.1 R249.1 R250.1 R251.1 R252.1 R253.1 U6.5 U8.9 U8.18 U9.14 U10.14 U11.14 U12.14 U23.2 U24.2 U25.1 U26.2 ~#109.~ ~#123.~ ~#130.~ ~#299.~ ~#308.~ ~#314.~ ~#326.~ ~#327.~ ~#328.~ ~#329.~ ~#330.~ ~#331.~ ~#340.~ ~#341.~ ~#342.~ ~#352.~ ~#393.~ ~#396.~ ~#412.~ ~#636.~ ~#645.~ ~#655.~ ~#668.~ ~#1033.~ ~#1034.~ ~#1035.~ ~#1036.~ ~#1037.~ ~#1042.~ ~#1045.~ ~#1048.~ ~#1051.~ ~#1053.~ ~#1058.~ ~#1060.~ ~#1062.~ ~#1066.~ ~#1067.~ ~#1068.~ ~#1144.~